# Allegro board SG2042_EVB_V2_0.brd (continued)
## Footprints (pads in the part's own frame, mm; a bottom-side part is the same pattern mirrored in y, then rotated) (continued)
BB49(20.5,-13.5) BB50(21.5,-13.5) BB51(22.5,-13.5) BB52(23.5,-13.5) BB53(24.5,-13.5) BB54(25.5,-13.5) BB55(26.5,-13.5) BB56(27.5,-13.5) BC1(-27.5,-14.5) BC2(-26.5,-14.5) BC3(-25.5,-14.5) BC4(-24.5,-14.5) BC5(-23.5,-14.5) BC6(-22.5,-14.5) BC7(-21.5,-14.5) BC8(-20.5,-14.5) BC9(-19.5,-14.5) BC10(-18.5,-14.5) BC11(-17.5,-14.5) BC12(-16.5,-14.5) BC13(-15.5,-14.5) BC14(-14.5,-14.5) BC15(-13.5,-14.5) BC16(-12.5,-14.5) BC17(-11.5,-14.5) BC18(-10.5,-14.5) BC19(-9.5,-14.5) BC20(-8.5,-14.5) BC21(-7.5,-14.5) BC22(-6.5,-14.5) BC23(-5.5,-14.5) BC24(-4.5,-14.5) BC25(-3.5,-14.5) BC26(-2.5,-14.5) BC27(-1.5,-14.5) BC28(-0.5,-14.5) BC29(0.5,-14.5) BC30(1.5,-14.5) BC31(2.5,-14.5) BC32(3.5,-14.5) BC33(4.5,-14.5) BC34(5.5,-14.5) BC35(6.5,-14.5) BC36(7.5,-14.5) BC37(8.5,-14.5) BC38(9.5,-14.5) BC39(10.5,-14.5) BC40(11.5,-14.5) BC41(12.5,-14.5) BC42(13.5,-14.5) BC43(14.5,-14.5) BC44(15.5,-14.5) BC45(16.5,-14.5) BC46(17.5,-14.5) BC47(18.5,-14.5) BC48(19.5,-14.5) BC49(20.5,-14.5) BC50(21.5,-14.5) BC51(22.5,-14.5) BC52(23.5,-14.5) BC53(24.5,-14.5) BC54(25.5,-14.5) BC55(26.5,-14.5) BC56(27.5,-14.5) BD1(-27.5,-15.5) BD2(-26.5,-15.5) BD3(-25.5,-15.5) BD4(-24.5,-15.5) BD5(-23.5,-15.5) BD6(-22.5,-15.5) BD7(-21.5,-15.5) BD8(-20.5,-15.5) BD9(-19.5,-15.5) BD10(-18.5,-15.5) BD11(-17.5,-15.5) BD12(-16.5,-15.5) BD13(-15.5,-15.5) BD14(-14.5,-15.5) BD15(-13.5,-15.5) BD16(-12.5,-15.5) BD17(-11.5,-15.5) BD18(-10.5,-15.5) BD19(-9.5,-15.5) BD20(-8.5,-15.5) BD21(-7.5,-15.5) BD22(-6.5,-15.5) BD23(-5.5,-15.5) BD24(-4.5,-15.5) BD25(-3.5,-15.5) BD26(-2.5,-15.5) BD27(-1.5,-15.5) BD28(-0.5,-15.5) BD29(0.5,-15.5) BD30(1.5,-15.5) BD31(2.5,-15.5) BD32(3.5,-15.5) BD33(4.5,-15.5) BD34(5.5,-15.5) BD35(6.5,-15.5) BD36(7.5,-15.5) BD37(8.5,-15.5) BD38(9.5,-15.5) BD39(10.5,-15.5) BD40(11.5,-15.5) BD41(12.5,-15.5) BD42(13.5,-15.5) BD43(14.5,-15.5) BD44(15.5,-15.5) BD45(16.5,-15.5) BD46(17.5,-15.5) BD47(18.5,-15.5) BD48(19.5,-15.5) BD49(20.5,-15.5) BD50(21.5,-15.5) BD51(22.5,-15.5) BD52(23.5,-15.5) BD53(24.5,-15.5) BD54(25.5,-15.5) BD55(26.5,-15.5) BD56(27.5,-15.5) BE1(-27.5,-16.5) BE2(-26.5,-16.5) BE3(-25.5,-16.5) BE4(-24.5,-16.5) BE5(-23.5,-16.5) BE6(-22.5,-16.5) BE7(-21.5,-16.5) BE8(-20.5,-16.5) BE9(-19.5,-16.5) BE10(-18.5,-16.5) BE11(-17.5,-16.5) BE12(-16.5,-16.5) BE13(-15.5,-16.5) BE14(-14.5,-16.5) BE15(-13.5,-16.5) BE16(-12.5,-16.5) BE17(-11.5,-16.5) BE18(-10.5,-16.5) BE19(-9.5,-16.5) BE20(-8.5,-16.5) BE21(-7.5,-16.5) BE22(-6.5,-16.5) BE23(-5.5,-16.5) BE24(-4.5,-16.5) BE25(-3.5,-16.5) BE26(-2.5,-16.5) BE27(-1.5,-16.5) BE28(-0.5,-16.5) BE29(0.5,-16.5) BE30(1.5,-16.5) BE31(2.5,-16.5) BE32(3.5,-16.5) BE33(4.5,-16.5) BE34(5.5,-16.5) BE35(6.5,-16.5) BE36(7.5,-16.5) BE37(8.5,-16.5) BE38(9.5,-16.5) BE39(10.5,-16.5) BE40(11.5,-16.5) BE41(12.5,-16.5) BE42(13.5,-16.5) BE43(14.5,-16.5) BE44(15.5,-16.5) BE45(16.5,-16.5) BE46(17.5,-16.5) BE47(18.5,-16.5) BE48(19.5,-16.5) BE49(20.5,-16.5) BE50(21.5,-16.5) BE51(22.5,-16.5) BE52(23.5,-16.5) BE53(24.5,-16.5) BE54(25.5,-16.5) BE55(26.5,-16.5) BE56(27.5,-16.5) BF1(-27.5,-17.5) BF2(-26.5,-17.5) BF3(-25.5,-17.5) BF4(-24.5,-17.5) BF5(-23.5,-17.5) BF6(-22.5,-17.5) BF7(-21.5,-17.5) BF8(-20.5,-17.5) BF9(-19.5,-17.5) BF10(-18.5,-17.5) BF11(-17.5,-17.5) BF12(-16.5,-17.5) BF13(-15.5,-17.5) BF14(-14.5,-17.5) BF15(-13.5,-17.5) BF16(-12.5,-17.5) BF17(-11.5,-17.5) BF18(-10.5,-17.5) BF19(-9.5,-17.5) BF20(-8.5,-17.5) BF21(-7.5,-17.5) BF22(-6.5,-17.5) BF23(-5.5,-17.5) BF24(-4.5,-17.5) BF25(-3.5,-17.5) BF26(-2.5,-17.5) BF27(-1.5,-17.5) BF28(-0.5,-17.5) BF29(0.5,-17.5) BF30(1.5,-17.5) BF31(2.5,-17.5) BF32(3.5,-17.5) BF33(4.5,-17.5) BF34(5.5,-17.5) BF35(6.5,-17.5) BF36(7.5,-17.5) BF37(8.5,-17.5) BF38(9.5,-17.5) BF39(10.5,-17.5) BF40(11.5,-17.5) BF41(12.5,-17.5) BF42(13.5,-17.5) BF43(14.5,-17.5) BF44(15.5,-17.5) BF45(16.5,-17.5) BF46(17.5,-17.5) BF47(18.5,-17.5) BF48(19.5,-17.5) BF49(20.5,-17.5) BF50(21.5,-17.5) BF51(22.5,-17.5) BF52(23.5,-17.5) BF53(24.5,-17.5) BF54(25.5,-17.5) BF55(26.5,-17.5) BF56(27.5,-17.5) BG1(-27.5,-18.5) BG2(-26.5,-18.5) BG3(-25.5,-18.5) BG4(-24.5,-18.5) BG5(-23.5,-18.5) BG6(-22.5,-18.5) BG7(-21.5,-18.5) BG8(-20.5,-18.5) BG9(-19.5,-18.5) BG10(-18.5,-18.5) BG11(-17.5,-18.5) BG12(-16.5,-18.5) BG13(-15.5,-18.5) BG14(-14.5,-18.5) BG15(-13.5,-18.5) BG16(-12.5,-18.5) BG17(-11.5,-18.5) BG18(-10.5,-18.5) BG19(-9.5,-18.5) BG20(-8.5,-18.5) BG21(-7.5,-18.5) BG22(-6.5,-18.5) BG23(-5.5,-18.5) BG24(-4.5,-18.5) BG25(-3.5,-18.5) BG26(-2.5,-18.5) BG27(-1.5,-18.5) BG28(-0.5,-18.5) BG29(0.5,-18.5) BG30(1.5,-18.5) BG31(2.5,-18.5) BG32(3.5,-18.5) BG33(4.5,-18.5) BG34(5.5,-18.5) BG35(6.5,-18.5) BG36(7.5,-18.5) BG37(8.5,-18.5) BG38(9.5,-18.5) BG39(10.5,-18.5) BG40(11.5,-18.5) BG41(12.5,-18.5) BG42(13.5,-18.5) BG43(14.5,-18.5) BG44(15.5,-18.5) BG45(16.5,-18.5) BG46(17.5,-18.5) BG47(18.5,-18.5) BG48(19.5,-18.5) BG49(20.5,-18.5) BG50(21.5,-18.5) BG51(22.5,-18.5) BG52(23.5,-18.5) BG53(24.5,-18.5) BG54(25.5,-18.5) BG55(26.5,-18.5) BG56(27.5,-18.5) BH1(-27.5,-19.5) BH2(-26.5,-19.5) BH3(-25.5,-19.5) BH4(-24.5,-19.5) BH5(-23.5,-19.5) BH6(-22.5,-19.5) BH7(-21.5,-19.5) BH8(-20.5,-19.5) BH9(-19.5,-19.5) BH10(-18.5,-19.5) BH11(-17.5,-19.5) BH12(-16.5,-19.5) BH13(-15.5,-19.5) BH14(-14.5,-19.5) BH15(-13.5,-19.5) BH16(-12.5,-19.5) BH17(-11.5,-19.5) BH18(-10.5,-19.5) BH19(-9.5,-19.5) BH20(-8.5,-19.5) BH21(-7.5,-19.5) BH22(-6.5,-19.5) BH23(-5.5,-19.5) BH24(-4.5,-19.5) BH25(-3.5,-19.5) BH26(-2.5,-19.5) BH27(-1.5,-19.5) BH28(-0.5,-19.5) BH29(0.5,-19.5) BH30(1.5,-19.5) BH31(2.5,-19.5) BH32(3.5,-19.5) BH33(4.5,-19.5) BH34(5.5,-19.5) BH35(6.5,-19.5) BH36(7.5,-19.5) BH37(8.5,-19.5) BH38(9.5,-19.5) BH39(10.5,-19.5) BH40(11.5,-19.5) BH41(12.5,-19.5) BH42(13.5,-19.5) BH43(14.5,-19.5) BH44(15.5,-19.5) BH45(16.5,-19.5) BH46(17.5,-19.5) BH47(18.5,-19.5) BH48(19.5,-19.5) BH49(20.5,-19.5) BH50(21.5,-19.5) BH51(22.5,-19.5) BH52(23.5,-19.5) BH53(24.5,-19.5) BH54(25.5,-19.5) BH55(26.5,-19.5) BH56(27.5,-19.5) BJ1(-27.5,-20.5) BJ2(-26.5,-20.5) BJ3(-25.5,-20.5) BJ4(-24.5,-20.5) BJ5(-23.5,-20.5) BJ6(-22.5,-20.5) BJ7(-21.5,-20.5) BJ8(-20.5,-20.5) BJ9(-19.5,-20.5) BJ10(-18.5,-20.5) BJ11(-17.5,-20.5) BJ12(-16.5,-20.5) BJ13(-15.5,-20.5) BJ14(-14.5,-20.5) BJ15(-13.5,-20.5) BJ16(-12.5,-20.5) BJ17(-11.5,-20.5) BJ18(-10.5,-20.5) BJ19(-9.5,-20.5) BJ20(-8.5,-20.5) BJ21(-7.5,-20.5) BJ22(-6.5,-20.5) BJ23(-5.5,-20.5) BJ24(-4.5,-20.5) BJ25(-3.5,-20.5) BJ26(-2.5,-20.5) BJ27(-1.5,-20.5) BJ28(-0.5,-20.5) BJ29(0.5,-20.5) BJ30(1.5,-20.5) BJ31(2.5,-20.5) BJ32(3.5,-20.5) BJ33(4.5,-20.5) BJ34(5.5,-20.5) BJ35(6.5,-20.5) BJ36(7.5,-20.5) BJ37(8.5,-20.5) BJ38(9.5,-20.5) BJ39(10.5,-20.5) BJ40(11.5,-20.5) BJ41(12.5,-20.5) BJ42(13.5,-20.5) BJ43(14.5,-20.5) BJ44(15.5,-20.5) BJ45(16.5,-20.5) BJ46(17.5,-20.5) BJ47(18.5,-20.5) BJ48(19.5,-20.5) BJ49(20.5,-20.5) BJ50(21.5,-20.5) BJ51(22.5,-20.5) BJ52(23.5,-20.5) BJ53(24.5,-20.5) BJ54(25.5,-20.5) BJ55(26.5,-20.5) BJ56(27.5,-20.5) BK1(-27.5,-21.5) BK2(-26.5,-21.5) BK3(-25.5,-21.5) BK4(-24.5,-21.5) BK5(-23.5,-21.5) BK6(-22.5,-21.5) BK7(-21.5,-21.5) BK8(-20.5,-21.5) BK9(-19.5,-21.5) BK10(-18.5,-21.5) BK11(-17.5,-21.5) BK12(-16.5,-21.5) BK13(-15.5,-21.5) BK14(-14.5,-21.5) BK15(-13.5,-21.5) BK16(-12.5,-21.5) BK17(-11.5,-21.5) BK18(-10.5,-21.5) BK19(-9.5,-21.5) BK20(-8.5,-21.5) BK21(-7.5,-21.5) BK22(-6.5,-21.5) BK23(-5.5,-21.5) BK24(-4.5,-21.5) BK25(-3.5,-21.5) BK26(-2.5,-21.5) BK27(-1.5,-21.5) BK28(-0.5,-21.5) BK29(0.5,-21.5) BK30(1.5,-21.5) BK31(2.5,-21.5) BK32(3.5,-21.5) BK33(4.5,-21.5) BK34(5.5,-21.5) BK35(6.5,-21.5) BK36(7.5,-21.5) BK37(8.5,-21.5) BK38(9.5,-21.5) BK39(10.5,-21.5) BK40(11.5,-21.5) BK41(12.5,-21.5) BK42(13.5,-21.5) BK43(14.5,-21.5) BK44(15.5,-21.5) BK45(16.5,-21.5) BK46(17.5,-21.5) BK47(18.5,-21.5) BK48(19.5,-21.5) BK49(20.5,-21.5) BK50(21.5,-21.5) BK51(22.5,-21.5) BK52(23.5,-21.5) BK53(24.5,-21.5) BK54(25.5,-21.5) BK55(26.5,-21.5) BK56(27.5,-21.5) BL1(-27.5,-22.5) BL2(-26.5,-22.5) BL3(-25.5,-22.5) BL4(-24.5,-22.5) BL5(-23.5,-22.5) BL6(-22.5,-22.5) BL7(-21.5,-22.5) BL8(-20.5,-22.5) BL9(-19.5,-22.5) BL10(-18.5,-22.5) BL11(-17.5,-22.5) BL12(-16.5,-22.5) BL13(-15.5,-22.5) BL14(-14.5,-22.5) BL15(-13.5,-22.5) BL16(-12.5,-22.5) BL17(-11.5,-22.5) BL18(-10.5,-22.5) BL19(-9.5,-22.5) BL20(-8.5,-22.5) BL21(-7.5,-22.5) BL22(-6.5,-22.5) BL23(-5.5,-22.5) BL24(-4.5,-22.5) BL25(-3.5,-22.5) BL26(-2.5,-22.5) BL27(-1.5,-22.5) BL28(-0.5,-22.5) BL29(0.5,-22.5) BL30(1.5,-22.5) BL31(2.5,-22.5) BL32(3.5,-22.5) BL33(4.5,-22.5) BL34(5.5,-22.5) BL35(6.5,-22.5) BL36(7.5,-22.5) BL37(8.5,-22.5) BL38(9.5,-22.5) BL39(10.5,-22.5) BL40(11.5,-22.5) BL41(12.5,-22.5) BL42(13.5,-22.5) BL43(14.5,-22.5) BL44(15.5,-22.5) BL45(16.5,-22.5) BL46(17.5,-22.5) BL47(18.5,-22.5) BL48(19.5,-22.5) BL49(20.5,-22.5) BL50(21.5,-22.5) BL51(22.5,-22.5) BL52(23.5,-22.5) BL53(24.5,-22.5) BL54(25.5,-22.5) BL55(26.5,-22.5) BL56(27.5,-22.5) BM1(-27.5,-23.5) BM2(-26.5,-23.5) BM3(-25.5,-23.5) BM4(-24.5,-23.5) BM5(-23.5,-23.5) BM6(-22.5,-23.5) BM7(-21.5,-23.5) BM8(-20.5,-23.5) BM9(-19.5,-23.5) BM10(-18.5,-23.5) BM11(-17.5,-23.5) BM12(-16.5,-23.5) BM13(-15.5,-23.5) BM14(-14.5,-23.5) BM15(-13.5,-23.5) BM16(-12.5,-23.5) BM17(-11.5,-23.5) BM18(-10.5,-23.5) BM19(-9.5,-23.5) BM20(-8.5,-23.5) BM21(-7.5,-23.5) BM22(-6.5,-23.5) BM23(-5.5,-23.5) BM24(-4.5,-23.5) BM25(-3.5,-23.5) BM26(-2.5,-23.5) BM27(-1.5,-23.5) BM28(-0.5,-23.5) BM29(0.5,-23.5) BM30(1.5,-23.5) BM31(2.5,-23.5) BM32(3.5,-23.5) BM33(4.5,-23.5) BM34(5.5,-23.5) BM35(6.5,-23.5) BM36(7.5,-23.5) BM37(8.5,-23.5) BM38(9.5,-23.5) BM39(10.5,-23.5) BM40(11.5,-23.5) BM41(12.5,-23.5) BM42(13.5,-23.5) BM43(14.5,-23.5) BM44(15.5,-23.5) BM45(16.5,-23.5) BM46(17.5,-23.5) BM47(18.5,-23.5) BM48(19.5,-23.5) BM49(20.5,-23.5) BM50(21.5,-23.5) BM51(22.5,-23.5) BM52(23.5,-23.5) BM53(24.5,-23.5) BM54(25.5,-23.5) BM55(26.5,-23.5) BM56(27.5,-23.5) BN1(-27.5,-24.5) BN2(-26.5,-24.5) BN3(-25.5,-24.5) BN4(-24.5,-24.5) BN5(-23.5,-24.5) BN6(-22.5,-24.5) BN7(-21.5,-24.5) BN8(-20.5,-24.5) BN9(-19.5,-24.5) BN10(-18.5,-24.5) BN11(-17.5,-24.5) BN12(-16.5,-24.5) BN13(-15.5,-24.5) BN14(-14.5,-24.5) BN15(-13.5,-24.5) BN16(-12.5,-24.5) BN17(-11.5,-24.5) BN18(-10.5,-24.5) BN19(-9.5,-24.5) BN20(-8.5,-24.5) BN21(-7.5,-24.5) BN22(-6.5,-24.5) BN23(-5.5,-24.5) BN24(-4.5,-24.5) BN25(-3.5,-24.5) BN26(-2.5,-24.5) BN27(-1.5,-24.5) BN28(-0.5,-24.5) BN29(0.5,-24.5) BN30(1.5,-24.5) BN31(2.5,-24.5) BN32(3.5,-24.5) BN33(4.5,-24.5) BN34(5.5,-24.5) BN35(6.5,-24.5) BN36(7.5,-24.5) BN37(8.5,-24.5) BN38(9.5,-24.5) BN39(10.5,-24.5) BN40(11.5,-24.5) BN41(12.5,-24.5) BN42(13.5,-24.5) BN43(14.5,-24.5) BN44(15.5,-24.5) BN45(16.5,-24.5) BN46(17.5,-24.5) BN47(18.5,-24.5) BN48(19.5,-24.5) BN49(20.5,-24.5) BN50(21.5,-24.5) BN51(22.5,-24.5) BN52(23.5,-24.5) BN53(24.5,-24.5) BN54(25.5,-24.5) BN55(26.5,-24.5) BN56(27.5,-24.5) BP1(-27.5,-25.5) BP2(-26.5,-25.5) BP3(-25.5,-25.5) BP4(-24.5,-25.5) BP5(-23.5,-25.5) BP6(-22.5,-25.5) BP7(-21.5,-25.5) BP8(-20.5,-25.5) BP9(-19.5,-25.5) BP10(-18.5,-25.5) BP11(-17.5,-25.5) BP12(-16.5,-25.5) BP13(-15.5,-25.5) BP14(-14.5,-25.5) BP15(-13.5,-25.5) BP16(-12.5,-25.5) BP17(-11.5,-25.5) BP18(-10.5,-25.5) BP19(-9.5,-25.5) BP20(-8.5,-25.5) BP21(-7.5,-25.5) BP22(-6.5,-25.5) BP23(-5.5,-25.5) BP24(-4.5,-25.5) BP25(-3.5,-25.5) BP26(-2.5,-25.5) BP27(-1.5,-25.5) BP28(-0.5,-25.5) BP29(0.5,-25.5) BP30(1.5,-25.5) BP31(2.5,-25.5) BP32(3.5,-25.5) BP33(4.5,-25.5) BP34(5.5,-25.5) BP35(6.5,-25.5) BP36(7.5,-25.5) BP37(8.5,-25.5) BP38(9.5,-25.5) BP39(10.5,-25.5) BP40(11.5,-25.5) BP41(12.5,-25.5) BP42(13.5,-25.5) BP43(14.5,-25.5) BP44(15.5,-25.5) BP45(16.5,-25.5) BP46(17.5,-25.5) BP47(18.5,-25.5) BP48(19.5,-25.5) BP49(20.5,-25.5) BP50(21.5,-25.5) BP51(22.5,-25.5) BP52(23.5,-25.5) BP53(24.5,-25.5) BP54(25.5,-25.5) BP55(26.5,-25.5) BP56(27.5,-25.5) BR1(-27.5,-26.5) BR2(-26.5,-26.5) BR3(-25.5,-26.5) BR4(-24.5,-26.5) BR5(-23.5,-26.5) BR6(-22.5,-26.5) BR7(-21.5,-26.5) BR8(-20.5,-26.5) BR9(-19.5,-26.5) BR10(-18.5,-26.5) BR11(-17.5,-26.5) BR12(-16.5,-26.5) BR13(-15.5,-26.5) BR14(-14.5,-26.5) BR15(-13.5,-26.5) BR16(-12.5,-26.5) BR17(-11.5,-26.5) BR18(-10.5,-26.5) BR19(-9.5,-26.5) BR20(-8.5,-26.5) BR21(-7.5,-26.5) BR22(-6.5,-26.5) BR23(-5.5,-26.5) BR24(-4.5,-26.5) BR25(-3.5,-26.5) BR26(-2.5,-26.5) BR27(-1.5,-26.5) BR28(-0.5,-26.5) BR29(0.5,-26.5) BR30(1.5,-26.5) BR31(2.5,-26.5) BR32(3.5,-26.5) BR33(4.5,-26.5) BR34(5.5,-26.5) BR35(6.5,-26.5) BR36(7.5,-26.5) BR37(8.5,-26.5) BR38(9.5,-26.5) BR39(10.5,-26.5) BR40(11.5,-26.5) BR41(12.5,-26.5) BR42(13.5,-26.5) BR43(14.5,-26.5) BR44(15.5,-26.5) BR45(16.5,-26.5) BR46(17.5,-26.5) BR47(18.5,-26.5) BR48(19.5,-26.5) BR49(20.5,-26.5) BR50(21.5,-26.5) BR51(22.5,-26.5) BR52(23.5,-26.5) BR53(24.5,-26.5) BR54(25.5,-26.5) BR55(26.5,-26.5) BR56(27.5,-26.5) BT1(-27.5,-27.5) BT2(-26.5,-27.5) BT3(-25.5,-27.5) BT4(-24.5,-27.5) BT5(-23.5,-27.5) BT6(-22.5,-27.5) BT7(-21.5,-27.5) BT8(-20.5,-27.5) BT9(-19.5,-27.5) BT10(-18.5,-27.5) BT11(-17.5,-27.5) BT12(-16.5,-27.5) BT13(-15.5,-27.5) BT14(-14.5,-27.5) BT15(-13.5,-27.5) BT16(-12.5,-27.5) BT17(-11.5,-27.5) BT18(-10.5,-27.5) BT19(-9.5,-27.5) BT20(-8.5,-27.5) BT21(-7.5,-27.5) BT22(-6.5,-27.5) BT23(-5.5,-27.5) BT24(-4.5,-27.5) BT25(-3.5,-27.5) BT26(-2.5,-27.5) BT27(-1.5,-27.5) BT28(-0.5,-27.5) BT29(0.5,-27.5) BT30(1.5,-27.5) BT31(2.5,-27.5) BT32(3.5,-27.5) BT33(4.5,-27.5) BT34(5.5,-27.5) BT35(6.5,-27.5) BT36(7.5,-27.5) BT37(8.5,-27.5) BT38(9.5,-27.5) BT39(10.5,-27.5) BT40(11.5,-27.5) BT41(12.5,-27.5) BT42(13.5,-27.5) BT43(14.5,-27.5) BT44(15.5,-27.5) BT45(16.5,-27.5) BT46(17.5,-27.5) BT47(18.5,-27.5) BT48(19.5,-27.5) BT49(20.5,-27.5) BT50(21.5,-27.5) BT51(22.5,-27.5) BT52(23.5,-27.5) BT53(24.5,-27.5) BT54(25.5,-27.5) BT55(26.5,-27.5) BT56(27.5,-27.5) C1(-27.5,25.5) C2(-26.5,25.5) C3(-25.5,25.5) C4(-24.5,25.5) C5(-23.5,25.5) C6(-22.5,25.5) C7(-21.5,25.5) C8(-20.5,25.5) C9(-19.5,25.5) C10(-18.5,25.5) C11(-17.5,25.5) C12(-16.5,25.5) C13(-15.5,25.5) C14(-14.5,25.5) C15(-13.5,25.5) C16(-12.5,25.5) C17(-11.5,25.5) C18(-10.5,25.5) C19(-9.5,25.5) C20(-8.5,25.5) C21(-7.5,25.5) C22(-6.5,25.5) C23(-5.5,25.5) C24(-4.5,25.5) C25(-3.5,25.5) C26(-2.5,25.5) C27(-1.5,25.5) C28(-0.5,25.5) C29(0.5,25.5) C30(1.5,25.5) C31(2.5,25.5) C32(3.5,25.5) C33(4.5,25.5) C34(5.5,25.5) C35(6.5,25.5) C36(7.5,25.5) C37(8.5,25.5) C38(9.5,25.5) C39(10.5,25.5) C40(11.5,25.5) C41(12.5,25.5) C42(13.5,25.5) C43(14.5,25.5) C44(15.5,25.5) C45(16.5,25.5) C46(17.5,25.5) C47(18.5,25.5) C48(19.5,25.5) C49(20.5,25.5) C50(21.5,25.5) C51(22.5,25.5) C52(23.5,25.5) C53(24.5,25.5) C54(25.5,25.5) C55(26.5,25.5) C56(27.5,25.5) D1(-27.5,24.5) D2(-26.5,24.5) D3(-25.5,24.5) D4(-24.5,24.5) D5(-23.5,24.5) D6(-22.5,24.5) D7(-21.5,24.5) D8(-20.5,24.5) D9(-19.5,24.5) D10(-18.5,24.5) D11(-17.5,24.5) D12(-16.5,24.5) D13(-15.5,24.5) D14(-14.5,24.5) D15(-13.5,24.5) D16(-12.5,24.5) D17(-11.5,24.5) D18(-10.5,24.5) D19(-9.5,24.5) D20(-8.5,24.5) D21(-7.5,24.5) D22(-6.5,24.5) D23(-5.5,24.5) D24(-4.5,24.5) D25(-3.5,24.5) D26(-2.5,24.5) D27(-1.5,24.5) D28(-0.5,24.5) D29(0.5,24.5) D30(1.5,24.5) D31(2.5,24.5) D32(3.5,24.5) D33(4.5,24.5) D34(5.5,24.5) D35(6.5,24.5) D36(7.5,24.5) D37(8.5,24.5) D38(9.5,24.5) D39(10.5,24.5) D40(11.5,24.5) D41(12.5,24.5) D42(13.5,24.5) D43(14.5,24.5) D44(15.5,24.5) D45(16.5,24.5) D46(17.5,24.5) D47(18.5,24.5) D48(19.5,24.5) D49(20.5,24.5) D50(21.5,24.5) D51(22.5,24.5) D52(23.5,24.5) D53(24.5,24.5) D54(25.5,24.5) D55(26.5,24.5) D56(27.5,24.5) E1(-27.5,23.5) E2(-26.5,23.5) E3(-25.5,23.5) E4(-24.5,23.5) E5(-23.5,23.5) E6(-22.5,23.5) E7(-21.5,23.5) E8(-20.5,23.5) E9(-19.5,23.5) E10(-18.5,23.5) E11(-17.5,23.5) E12(-16.5,23.5) E13(-15.5,23.5) E14(-14.5,23.5) E15(-13.5,23.5) E16(-12.5,23.5) E17(-11.5,23.5) E18(-10.5,23.5) E19(-9.5,23.5) E20(-8.5,23.5) E21(-7.5,23.5) E22(-6.5,23.5) E23(-5.5,23.5) E24(-4.5,23.5) E25(-3.5,23.5) E26(-2.5,23.5) E27(-1.5,23.5) E28(-0.5,23.5) E29(0.5,23.5) E30(1.5,23.5) E31(2.5,23.5) E32(3.5,23.5) E33(4.5,23.5) E34(5.5,23.5) E35(6.5,23.5) E36(7.5,23.5) E37(8.5,23.5) E38(9.5,23.5) E39(10.5,23.5) E40(11.5,23.5) E41(12.5,23.5) E42(13.5,23.5) E43(14.5,23.5) E44(15.5,23.5) E45(16.5,23.5) E46(17.5,23.5) E47(18.5,23.5) E48(19.5,23.5) E49(20.5,23.5) E50(21.5,23.5) E51(22.5,23.5) E52(23.5,23.5) E53(24.5,23.5) E54(25.5,23.5) E55(26.5,23.5) E56(27.5,23.5) F1(-27.5,22.5) F2(-26.5,22.5) F3(-25.5,22.5) F4(-24.5,22.5) F5(-23.5,22.5) F6(-22.5,22.5) F7(-21.5,22.5) F8(-20.5,22.5) F9(-19.5,22.5) F10(-18.5,22.5) F11(-17.5,22.5) F12(-16.5,22.5) F13(-15.5,22.5) F14(-14.5,22.5) F15(-13.5,22.5) F16(-12.5,22.5) F17(-11.5,22.5) F18(-10.5,22.5) F19(-9.5,22.5) F20(-8.5,22.5) F21(-7.5,22.5) F22(-6.5,22.5) F23(-5.5,22.5) F24(-4.5,22.5) F25(-3.5,22.5) F26(-2.5,22.5) F27(-1.5,22.5) F28(-0.5,22.5) F29(0.5,22.5) F30(1.5,22.5) F31(2.5,22.5) F32(3.5,22.5) F33(4.5,22.5) F34(5.5,22.5) F35(6.5,22.5) F36(7.5,22.5) F37(8.5,22.5) F38(9.5,22.5) F39(10.5,22.5) F40(11.5,22.5) F41(12.5,22.5) F42(13.5,22.5) F43(14.5,22.5) F44(15.5,22.5) F45(16.5,22.5) F46(17.5,22.5) F47(18.5,22.5) F48(19.5,22.5) F49(20.5,22.5) F50(21.5,22.5) F51(22.5,22.5) F52(23.5,22.5) F53(24.5,22.5) F54(25.5,22.5) F55(26.5,22.5) F56(27.5,22.5) G1(-27.5,21.5) G2(-26.5,21.5) G3(-25.5,21.5) G4(-24.5,21.5) G5(-23.5,21.5) G6(-22.5,21.5) G7(-21.5,21.5) G8(-20.5,21.5) G9(-19.5,21.5) G10(-18.5,21.5) G11(-17.5,21.5) G12(-16.5,21.5) G13(-15.5,21.5) G14(-14.5,21.5) G15(-13.5,21.5) G16(-12.5,21.5) G17(-11.5,21.5) G18(-10.5,21.5) G19(-9.5,21.5) G20(-8.5,21.5) G21(-7.5,21.5) G22(-6.5,21.5) G23(-5.5,21.5) G24(-4.5,21.5) G25(-3.5,21.5) G26(-2.5,21.5) G27(-1.5,21.5) G28(-0.5,21.5) G29(0.5,21.5) G30(1.5,21.5) G31(2.5,21.5) G32(3.5,21.5) G33(4.5,21.5) G34(5.5,21.5) G35(6.5,21.5) G36(7.5,21.5) G37(8.5,21.5) G38(9.5,21.5) G39(10.5,21.5) G40(11.5,21.5) G41(12.5,21.5) G42(13.5,21.5) G43(14.5,21.5) G44(15.5,21.5) G45(16.5,21.5) G46(17.5,21.5) G47(18.5,21.5) G48(19.5,21.5) G49(20.5,21.5) G50(21.5,21.5) G51(22.5,21.5) G52(23.5,21.5) G53(24.5,21.5) G54(25.5,21.5) G55(26.5,21.5) G56(27.5,21.5) H1(-27.5,20.5) H2(-26.5,20.5) H3(-25.5,20.5) H4(-24.5,20.5) H5(-23.5,20.5) H6(-22.5,20.5) H7(-21.5,20.5) H8(-20.5,20.5) H9(-19.5,20.5) H10(-18.5,20.5) H11(-17.5,20.5) H12(-16.5,20.5) H13(-15.5,20.5) H14(-14.5,20.5) H15(-13.5,20.5) H16(-12.5,20.5) H17(-11.5,20.5) H18(-10.5,20.5) H19(-9.5,20.5) H20(-8.5,20.5) H21(-7.5,20.5) H22(-6.5,20.5) H23(-5.5,20.5) H24(-4.5,20.5) H25(-3.5,20.5) H26(-2.5,20.5) H27(-1.5,20.5) H28(-0.5,20.5) H29(0.5,20.5) H30(1.5,20.5) H31(2.5,20.5) H32(3.5,20.5) H33(4.5,20.5) H34(5.5,20.5) H35(6.5,20.5) H36(7.5,20.5) H37(8.5,20.5) H38(9.5,20.5) H39(10.5,20.5) H40(11.5,20.5) H41(12.5,20.5) H42(13.5,20.5) H43(14.5,20.5) H44(15.5,20.5) H45(16.5,20.5) H46(17.5,20.5) H47(18.5,20.5) H48(19.5,20.5) H49(20.5,20.5) H50(21.5,20.5) H51(22.5,20.5) H52(23.5,20.5) H53(24.5,20.5) H54(25.5,20.5) H55(26.5,20.5) H56(27.5,20.5) J1(-27.5,19.5) J2(-26.5,19.5) J3(-25.5,19.5) J4(-24.5,19.5) J5(-23.5,19.5) J6(-22.5,19.5) J7(-21.5,19.5) J8(-20.5,19.5) J9(-19.5,19.5) J10(-18.5,19.5) J11(-17.5,19.5) J12(-16.5,19.5) J13(-15.5,19.5) J14(-14.5,19.5) J15(-13.5,19.5) J16(-12.5,19.5) J17(-11.5,19.5) J18(-10.5,19.5) J19(-9.5,19.5) J20(-8.5,19.5) J21(-7.5,19.5) J22(-6.5,19.5) J23(-5.5,19.5) J24(-4.5,19.5) J25(-3.5,19.5) J26(-2.5,19.5) J27(-1.5,19.5) J28(-0.5,19.5) J29(0.5,19.5) J30(1.5,19.5) J31(2.5,19.5) J32(3.5,19.5) J33(4.5,19.5) J34(5.5,19.5) J35(6.5,19.5) J36(7.5,19.5) J37(8.5,19.5) J38(9.5,19.5) J39(10.5,19.5) J40(11.5,19.5) J41(12.5,19.5) J42(13.5,19.5) J43(14.5,19.5) J44(15.5,19.5) J45(16.5,19.5) J46(17.5,19.5) J47(18.5,19.5) J48(19.5,19.5) J49(20.5,19.5) J50(21.5,19.5) J51(22.5,19.5) J52(23.5,19.5) J53(24.5,19.5) J54(25.5,19.5) J55(26.5,19.5) J56(27.5,19.5) K1(-27.5,18.5) K2(-26.5,18.5) K3(-25.5,18.5) K4(-24.5,18.5) K5(-23.5,18.5) K6(-22.5,18.5) K7(-21.5,18.5) K8(-20.5,18.5) K9(-19.5,18.5) K10(-18.5,18.5) K11(-17.5,18.5) K12(-16.5,18.5) K13(-15.5,18.5) K14(-14.5,18.5) K15(-13.5,18.5) K16(-12.5,18.5) K17(-11.5,18.5) K18(-10.5,18.5) K19(-9.5,18.5) K20(-8.5,18.5) K21(-7.5,18.5) K22(-6.5,18.5) K23(-5.5,18.5) K24(-4.5,18.5) K25(-3.5,18.5) K26(-2.5,18.5) K27(-1.5,18.5) K28(-0.5,18.5) K29(0.5,18.5) K30(1.5,18.5) K31(2.5,18.5) K32(3.5,18.5) K33(4.5,18.5) K34(5.5,18.5) K35(6.5,18.5) K36(7.5,18.5) K37(8.5,18.5) K38(9.5,18.5) K39(10.5,18.5) K40(11.5,18.5) K41(12.5,18.5) K42(13.5,18.5) K43(14.5,18.5) K44(15.5,18.5) K45(16.5,18.5) K46(17.5,18.5) K47(18.5,18.5) K48(19.5,18.5) K49(20.5,18.5) K50(21.5,18.5) K51(22.5,18.5) K52(23.5,18.5) K53(24.5,18.5) K54(25.5,18.5) K55(26.5,18.5) K56(27.5,18.5) L1(-27.5,17.5) L2(-26.5,17.5) L3(-25.5,17.5) L4(-24.5,17.5) L5(-23.5,17.5) L6(-22.5,17.5) L7(-21.5,17.5) L8(-20.5,17.5) L9(-19.5,17.5) L10(-18.5,17.5) L11(-17.5,17.5) L12(-16.5,17.5) L13(-15.5,17.5) L14(-14.5,17.5) L15(-13.5,17.5) L16(-12.5,17.5) L17(-11.5,17.5) L18(-10.5,17.5) L19(-9.5,17.5) L20(-8.5,17.5) L21(-7.5,17.5) L22(-6.5,17.5) L23(-5.5,17.5) L24(-4.5,17.5) L25(-3.5,17.5) L26(-2.5,17.5) L27(-1.5,17.5) L28(-0.5,17.5) L29(0.5,17.5) L30(1.5,17.5) L31(2.5,17.5) L32(3.5,17.5) L33(4.5,17.5) L34(5.5,17.5) L35(6.5,17.5) L36(7.5,17.5) L37(8.5,17.5) L38(9.5,17.5) L39(10.5,17.5) L40(11.5,17.5) L41(12.5,17.5) L42(13.5,17.5) L43(14.5,17.5) L44(15.5,17.5) L45(16.5,17.5) L46(17.5,17.5) L47(18.5,17.5) L48(19.5,17.5) L49(20.5,17.5) L50(21.5,17.5) L51(22.5,17.5) L52(23.5,17.5) L53(24.5,17.5) L54(25.5,17.5) L55(26.5,17.5) L56(27.5,17.5) M1(-27.5,16.5) M2(-26.5,16.5) M3(-25.5,16.5) M4(-24.5,16.5) M5(-23.5,16.5) M6(-22.5,16.5) M7(-21.5,16.5) M8(-20.5,16.5) M9(-19.5,16.5) M10(-18.5,16.5) M11(-17.5,16.5) M12(-16.5,16.5) M13(-15.5,16.5) M14(-14.5,16.5) M15(-13.5,16.5) M16(-12.5,16.5) M17(-11.5,16.5) M18(-10.5,16.5) M19(-9.5,16.5) M20(-8.5,16.5) M21(-7.5,16.5) M22(-6.5,16.5) M23(-5.5,16.5) M24(-4.5,16.5) M25(-3.5,16.5) M26(-2.5,16.5) M27(-1.5,16.5) M28(-0.5,16.5) M29(0.5,16.5) M30(1.5,16.5) M31(2.5,16.5) M32(3.5,16.5) M33(4.5,16.5) M34(5.5,16.5) M35(6.5,16.5) M36(7.5,16.5) M37(8.5,16.5) M38(9.5,16.5) M39(10.5,16.5) M40(11.5,16.5) M41(12.5,16.5) M42(13.5,16.5) M43(14.5,16.5) M44(15.5,16.5) M45(16.5,16.5) M46(17.5,16.5) M47(18.5,16.5) M48(19.5,16.5) M49(20.5,16.5) M50(21.5,16.5) M51(22.5,16.5) M52(23.5,16.5) M53(24.5,16.5) M54(25.5,16.5) M55(26.5,16.5) M56(27.5,16.5) N1(-27.5,15.5) N2(-26.5,15.5) N3(-25.5,15.5) N4(-24.5,15.5) N5(-23.5,15.5) N6(-22.5,15.5) N7(-21.5,15.5) N8(-20.5,15.5) N9(-19.5,15.5) N10(-18.5,15.5) N11(-17.5,15.5) N12(-16.5,15.5) N13(-15.5,15.5) N14(-14.5,15.5) N15(-13.5,15.5) N16(-12.5,15.5) N17(-11.5,15.5) N18(-10.5,15.5) N19(-9.5,15.5) N20(-8.5,15.5) N21(-7.5,15.5) N22(-6.5,15.5) N23(-5.5,15.5) N24(-4.5,15.5) N25(-3.5,15.5) N26(-2.5,15.5) N27(-1.5,15.5) N28(-0.5,15.5) N29(0.5,15.5) N30(1.5,15.5) N31(2.5,15.5) N32(3.5,15.5) N33(4.5,15.5) N34(5.5,15.5) N35(6.5,15.5) N36(7.5,15.5) N37(8.5,15.5) N38(9.5,15.5) N39(10.5,15.5) N40(11.5,15.5) N41(12.5,15.5) N42(13.5,15.5) N43(14.5,15.5) N44(15.5,15.5) N45(16.5,15.5) N46(17.5,15.5) N47(18.5,15.5) N48(19.5,15.5) N49(20.5,15.5) N50(21.5,15.5) N51(22.5,15.5) N52(23.5,15.5) N53(24.5,15.5) N54(25.5,15.5) N55(26.5,15.5) N56(27.5,15.5) P1(-27.5,14.5) P2(-26.5,14.5) P3(-25.5,14.5) P4(-24.5,14.5) P5(-23.5,14.5) P6(-22.5,14.5) P7(-21.5,14.5) P8(-20.5,14.5) P9(-19.5,14.5) P10(-18.5,14.5) P11(-17.5,14.5) P12(-16.5,14.5) P13(-15.5,14.5) P14(-14.5,14.5) P15(-13.5,14.5) P16(-12.5,14.5) P17(-11.5,14.5) P18(-10.5,14.5) P19(-9.5,14.5) P20(-8.5,14.5) P21(-7.5,14.5) P22(-6.5,14.5) P23(-5.5,14.5) P24(-4.5,14.5) P25(-3.5,14.5) P26(-2.5,14.5) P27(-1.5,14.5) P28(-0.5,14.5) P29(0.5,14.5) P30(1.5,14.5) P31(2.5,14.5) P32(3.5,14.5) P33(4.5,14.5) P34(5.5,14.5) P35(6.5,14.5) P36(7.5,14.5) P37(8.5,14.5) P38(9.5,14.5) P39(10.5,14.5) P40(11.5,14.5) P41(12.5,14.5) P42(13.5,14.5) P43(14.5,14.5) P44(15.5,14.5) P45(16.5,14.5) P46(17.5,14.5) P47(18.5,14.5) P48(19.5,14.5) P49(20.5,14.5) P50(21.5,14.5) P51(22.5,14.5) P52(23.5,14.5) P53(24.5,14.5) P54(25.5,14.5) P55(26.5,14.5) P56(27.5,14.5) R1(-27.5,13.5) R2(-26.5,13.5) R3(-25.5,13.5) R4(-24.5,13.5) R5(-23.5,13.5) R6(-22.5,13.5) R7(-21.5,13.5) R8(-20.5,13.5) R9(-19.5,13.5) R10(-18.5,13.5) R11(-17.5,13.5) R12(-16.5,13.5) R13(-15.5,13.5) R14(-14.5,13.5) R15(-13.5,13.5) R16(-12.5,13.5) R17(-11.5,13.5) R18(-10.5,13.5) R19(-9.5,13.5) R20(-8.5,13.5) R21(-7.5,13.5) R22(-6.5,13.5) R23(-5.5,13.5) R24(-4.5,13.5) R25(-3.5,13.5) R26(-2.5,13.5) R27(-1.5,13.5) R28(-0.5,13.5) R29(0.5,13.5) R30(1.5,13.5) R31(2.5,13.5) R32(3.5,13.5) R33(4.5,13.5) R34(5.5,13.5) R35(6.5,13.5) R36(7.5,13.5) R37(8.5,13.5) R38(9.5,13.5) R39(10.5,13.5) R40(11.5,13.5) R41(12.5,13.5) R42(13.5,13.5) R43(14.5,13.5) R44(15.5,13.5) R45(16.5,13.5) R46(17.5,13.5) R47(18.5,13.5) R48(19.5,13.5) R49(20.5,13.5) R50(21.5,13.5) R51(22.5,13.5) R52(23.5,13.5) R53(24.5,13.5) R54(25.5,13.5) R55(26.5,13.5) R56(27.5,13.5) T1(-27.5,12.5) T2(-26.5,12.5) T3(-25.5,12.5) T4(-24.5,12.5) T5(-23.5,12.5) T6(-22.5,12.5) T7(-21.5,12.5) T8(-20.5,12.5) T9(-19.5,12.5) T10(-18.5,12.5) T11(-17.5,12.5) T12(-16.5,12.5) T13(-15.5,12.5) T14(-14.5,12.5) T15(-13.5,12.5) T16(-12.5,12.5) T17(-11.5,12.5) T18(-10.5,12.5) T19(-9.5,12.5) T20(-8.5,12.5) T21(-7.5,12.5) T22(-6.5,12.5) T23(-5.5,12.5) T24(-4.5,12.5) T25(-3.5,12.5) T26(-2.5,12.5) T27(-1.5,12.5) T28(-0.5,12.5) T29(0.5,12.5) T30(1.5,12.5) T31(2.5,12.5) T32(3.5,12.5) T33(4.5,12.5) T34(5.5,12.5) T35(6.5,12.5) T36(7.5,12.5) T37(8.5,12.5) T38(9.5,12.5) T39(10.5,12.5) T40(11.5,12.5) T41(12.5,12.5) T42(13.5,12.5) T43(14.5,12.5) T44(15.5,12.5) T45(16.5,12.5) T46(17.5,12.5) T47(18.5,12.5) T48(19.5,12.5) T49(20.5,12.5) T50(21.5,12.5) T51(22.5,12.5) T52(23.5,12.5) T53(24.5,12.5) T54(25.5,12.5) T55(26.5,12.5) T56(27.5,12.5) U1(-27.5,11.5) U2(-26.5,11.5) U3(-25.5,11.5) U4(-24.5,11.5) U5(-23.5,11.5) U6(-22.5,11.5) U7(-21.5,11.5) U8(-20.5,11.5) U9(-19.5,11.5) U10(-18.5,11.5) U11(-17.5,11.5) U12(-16.5,11.5) U13(-15.5,11.5) U14(-14.5,11.5) U15(-13.5,11.5) U16(-12.5,11.5) U41(12.5,11.5) U42(13.5,11.5) U43(14.5,11.5) U44(15.5,11.5) U45(16.5,11.5) U46(17.5,11.5) U47(18.5,11.5) U48(19.5,11.5) U49(20.5,11.5) U50(21.5,11.5) U51(22.5,11.5) U52(23.5,11.5) U53(24.5,11.5) U54(25.5,11.5) U55(26.5,11.5) U56(27.5,11.5) V1(-27.5,10.5) V2(-26.5,10.5) V3(-25.5,10.5) V4(-24.5,10.5) V5(-23.5,10.5) V6(-22.5,10.5) V7(-21.5,10.5) V8(-20.5,10.5) V9(-19.5,10.5) V10(-18.5,10.5) V11(-17.5,10.5) V12(-16.5,10.5) V13(-15.5,10.5) V14(-14.5,10.5) V15(-13.5,10.5) V16(-12.5,10.5) V18(-10.5,10.5) V19(-9.5,10.5) V20(-8.5,10.5) V21(-7.5,10.5) V22(-6.5,10.5) V23(-5.5,10.5) V24(-4.5,10.5) V25(-3.5,10.5) V26(-2.5,10.5) V27(-1.5,10.5) V28(-0.5,10.5) V29(0.5,10.5) V30(1.5,10.5) V31(2.5,10.5) V32(3.5,10.5) V33(4.5,10.5) V34(5.5,10.5) V35(6.5,10.5) V36(7.5,10.5) V37(8.5,10.5) V38(9.5,10.5) V39(10.5,10.5) V41(12.5,10.5) V42(13.5,10.5) V43(14.5,10.5) V44(15.5,10.5) V45(16.5,10.5) V46(17.5,10.5) V47(18.5,10.5) V48(19.5,10.5) V49(20.5,10.5) V50(21.5,10.5) V51(22.5,10.5) V52(23.5,10.5) V53(24.5,10.5) V54(25.5,10.5) V55(26.5,10.5) V56(27.5,10.5) W1(-27.5,9.5) W2(-26.5,9.5) W3(-25.5,9.5) W4(-24.5,9.5) W5(-23.5,9.5) W6(-22.5,9.5) W7(-21.5,9.5) W8(-20.5,9.5) W9(-19.5,9.5) W10(-18.5,9.5) W11(-17.5,9.5) W12(-16.5,9.5) W13(-15.5,9.5) W14(-14.5,9.5) W15(-13.5,9.5) W16(-12.5,9.5) W18(-10.5,9.5) W19(-9.5,9.5) W20(-8.5,9.5) W21(-7.5,9.5) W22(-6.5,9.5) W23(-5.5,9.5) W24(-4.5,9.5) W25(-3.5,9.5) W26(-2.5,9.5) W27(-1.5,9.5) W28(-0.5,9.5) W29(0.5,9.5) W30(1.5,9.5) W31(2.5,9.5) W32(3.5,9.5) W33(4.5,9.5) W34(5.5,9.5) W35(6.5,9.5) W36(7.5,9.5) W37(8.5,9.5) W38(9.5,9.5) W39(10.5,9.5) W41(12.5,9.5) W42(13.5,9.5) W43(14.5,9.5) W44(15.5,9.5) W45(16.5,9.5) W46(17.5,9.5) W47(18.5,9.5) W48(19.5,9.5) W49(20.5,9.5) W50(21.5,9.5) W51(22.5,9.5) W52(23.5,9.5) W53(24.5,9.5) W54(25.5,9.5) W55(26.5,9.5) W56(27.5,9.5) Y1(-27.5,8.5) Y2(-26.5,8.5) Y3(-25.5,8.5) Y4(-24.5,8.5) Y5(-23.5,8.5) Y6(-22.5,8.5) Y7(-21.5,8.5) Y8(-20.5,8.5) Y9(-19.5,8.5) Y10(-18.5,8.5) Y11(-17.5,8.5) Y12(-16.5,8.5) Y13(-15.5,8.5) Y14(-14.5,8.5) Y15(-13.5,8.5) Y16(-12.5,8.5) Y18(-10.5,8.5) Y19(-9.5,8.5) Y20(-8.5,8.5) Y21(-7.5,8.5) Y22(-6.5,8.5) Y23(-5.5,8.5) Y24(-4.5,8.5) Y25(-3.5,8.5) Y26(-2.5,8.5) Y27(-1.5,8.5) Y28(-0.5,8.5) Y29(0.5,8.5) Y30(1.5,8.5) Y31(2.5,8.5) Y32(3.5,8.5) Y33(4.5,8.5) Y34(5.5,8.5) Y35(6.5,8.5) Y36(7.5,8.5) Y37(8.5,8.5) Y38(9.5,8.5) Y39(10.5,8.5) Y41(12.5,8.5) Y42(13.5,8.5) Y43(14.5,8.5) Y44(15.5,8.5) Y45(16.5,8.5) Y46(17.5,8.5) Y47(18.5,8.5) Y48(19.5,8.5) Y49(20.5,8.5) Y50(21.5,8.5) Y51(22.5,8.5) Y52(23.5,8.5) Y53(24.5,8.5) Y54(25.5,8.5) Y55(26.5,8.5) Y56(27.5,8.5)
